# Altium PCB Main_Board.PcbDoc (part 1 of 2)
Units mm, origin at the board's own origin, x right, y up, seen from the top; angles counter-clockwise.
Board outline 51 x 118 mm, 4 copper layers (Top Layer, Layer 1, Layer 4, Bottom Layer), stack 0.603 mm thick; 237 components, 166 nets, 767 pads, 560 vias.
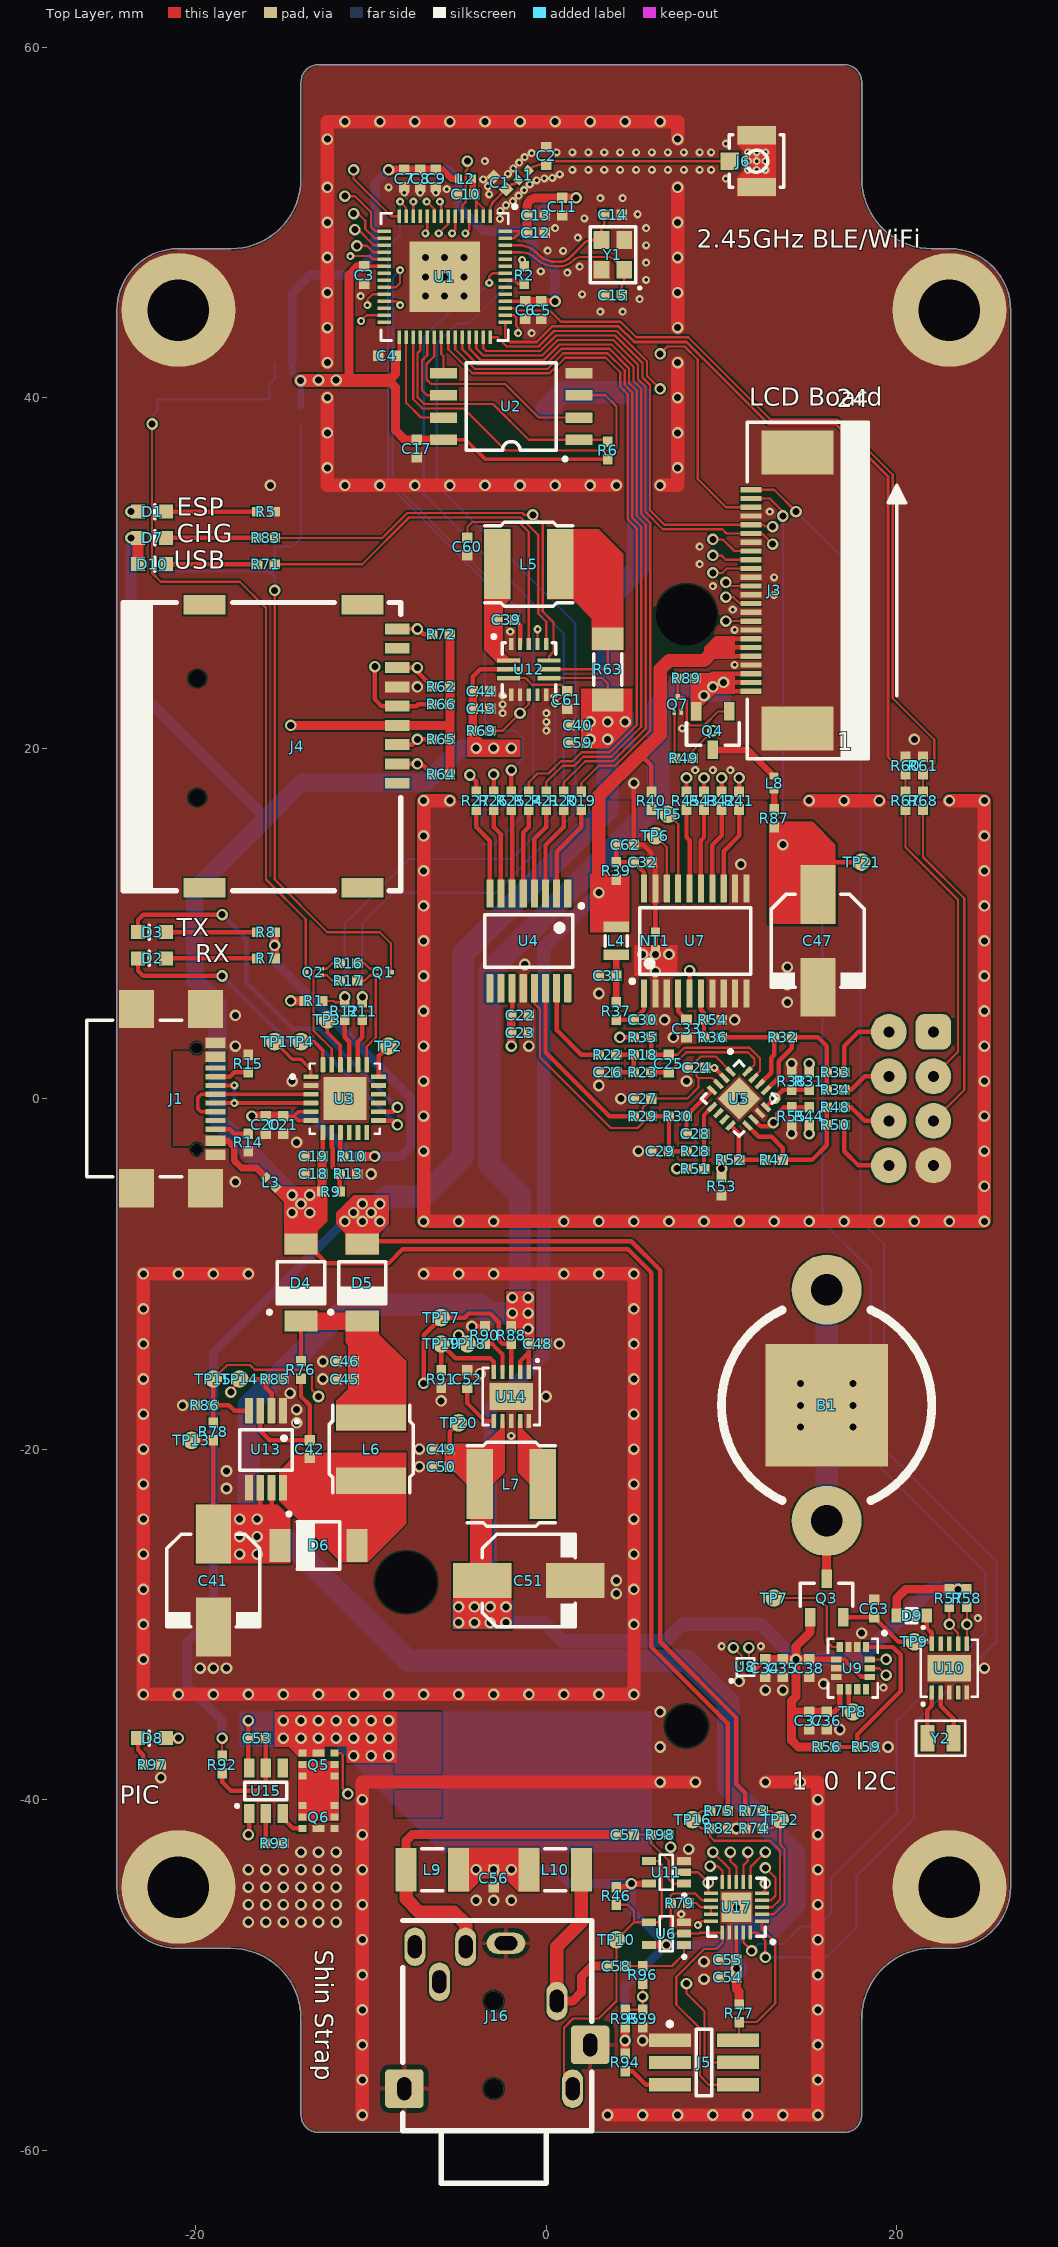
[diagram p0: Top Layer view]
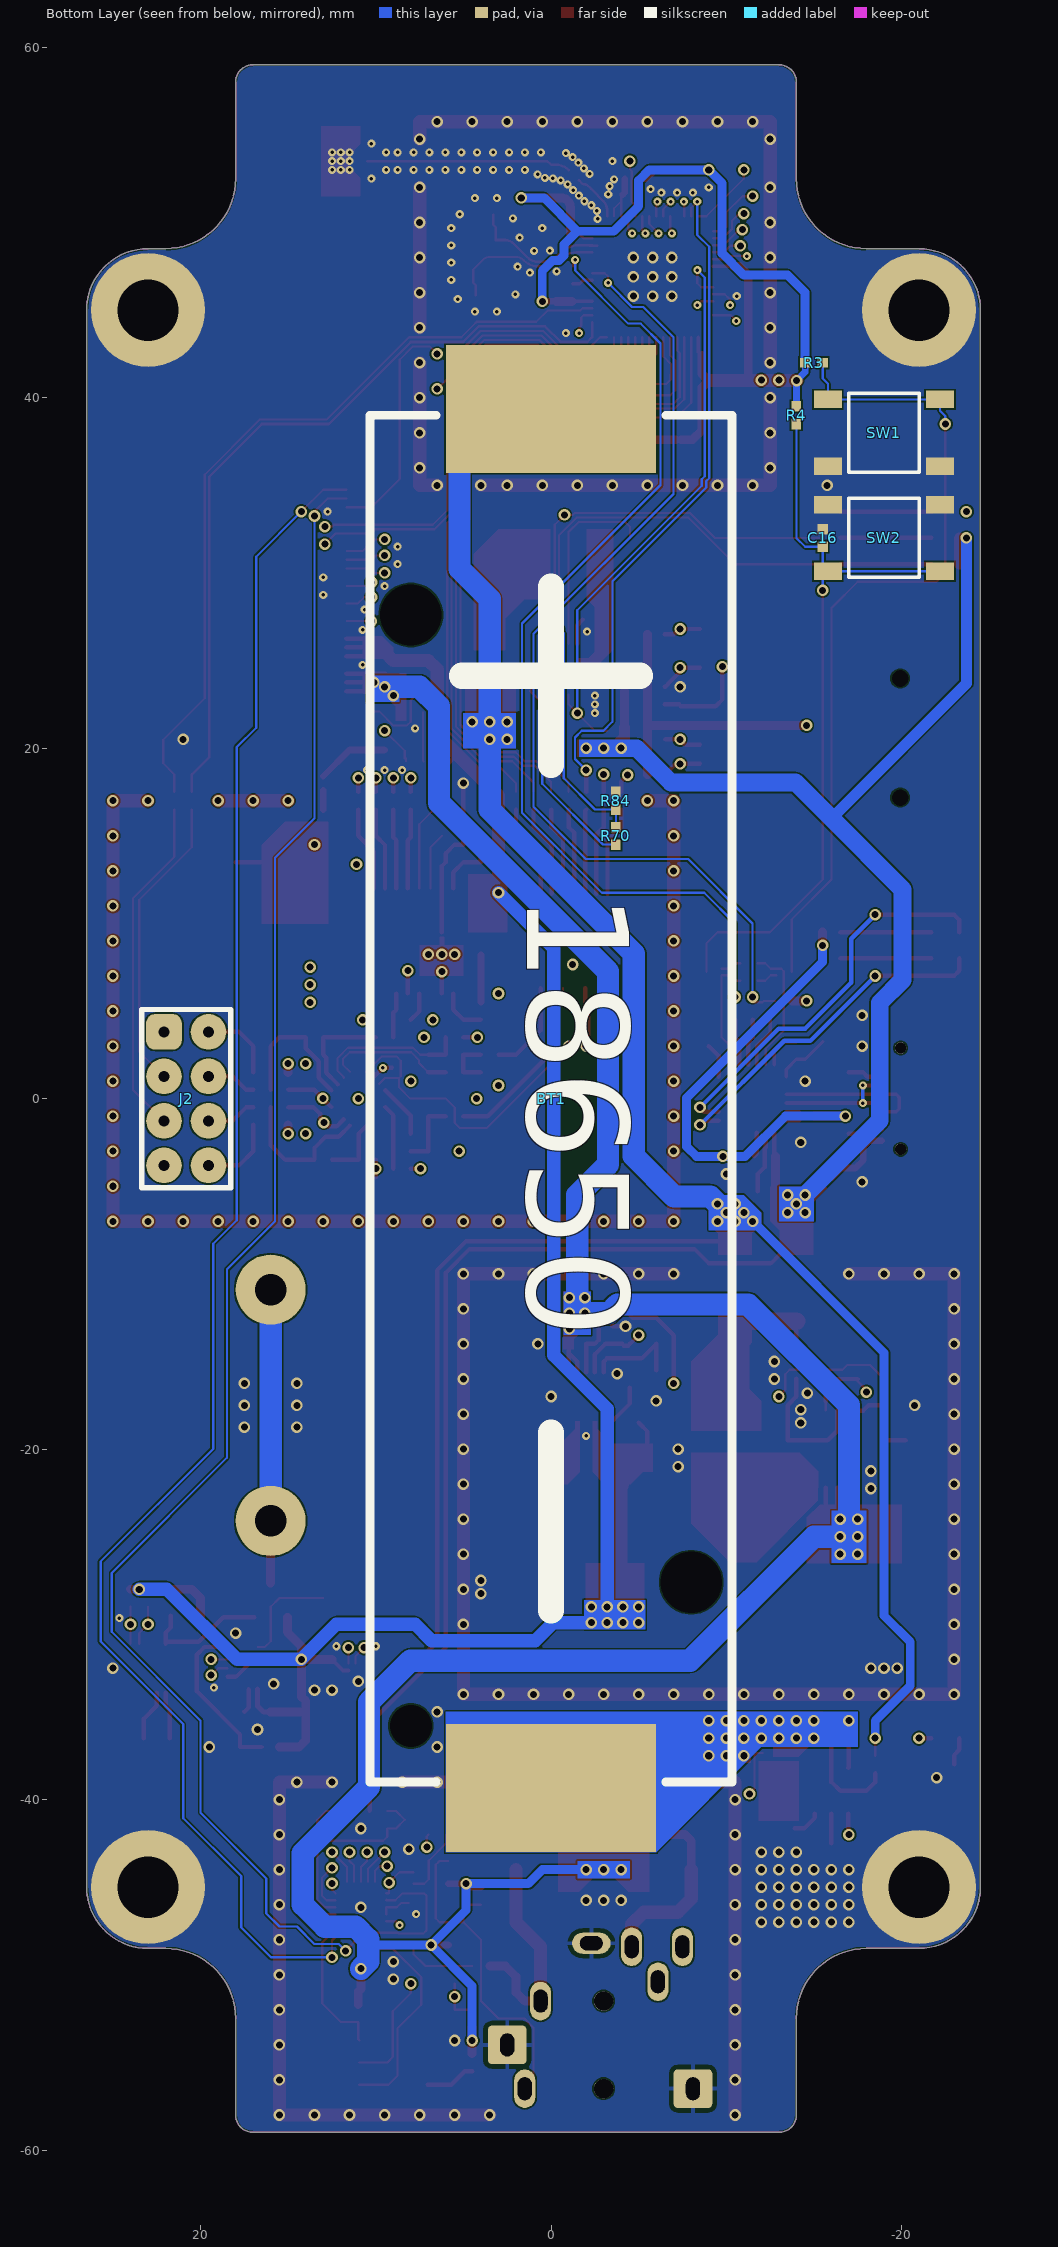
[diagram p1: Bottom Layer view, seen from below]
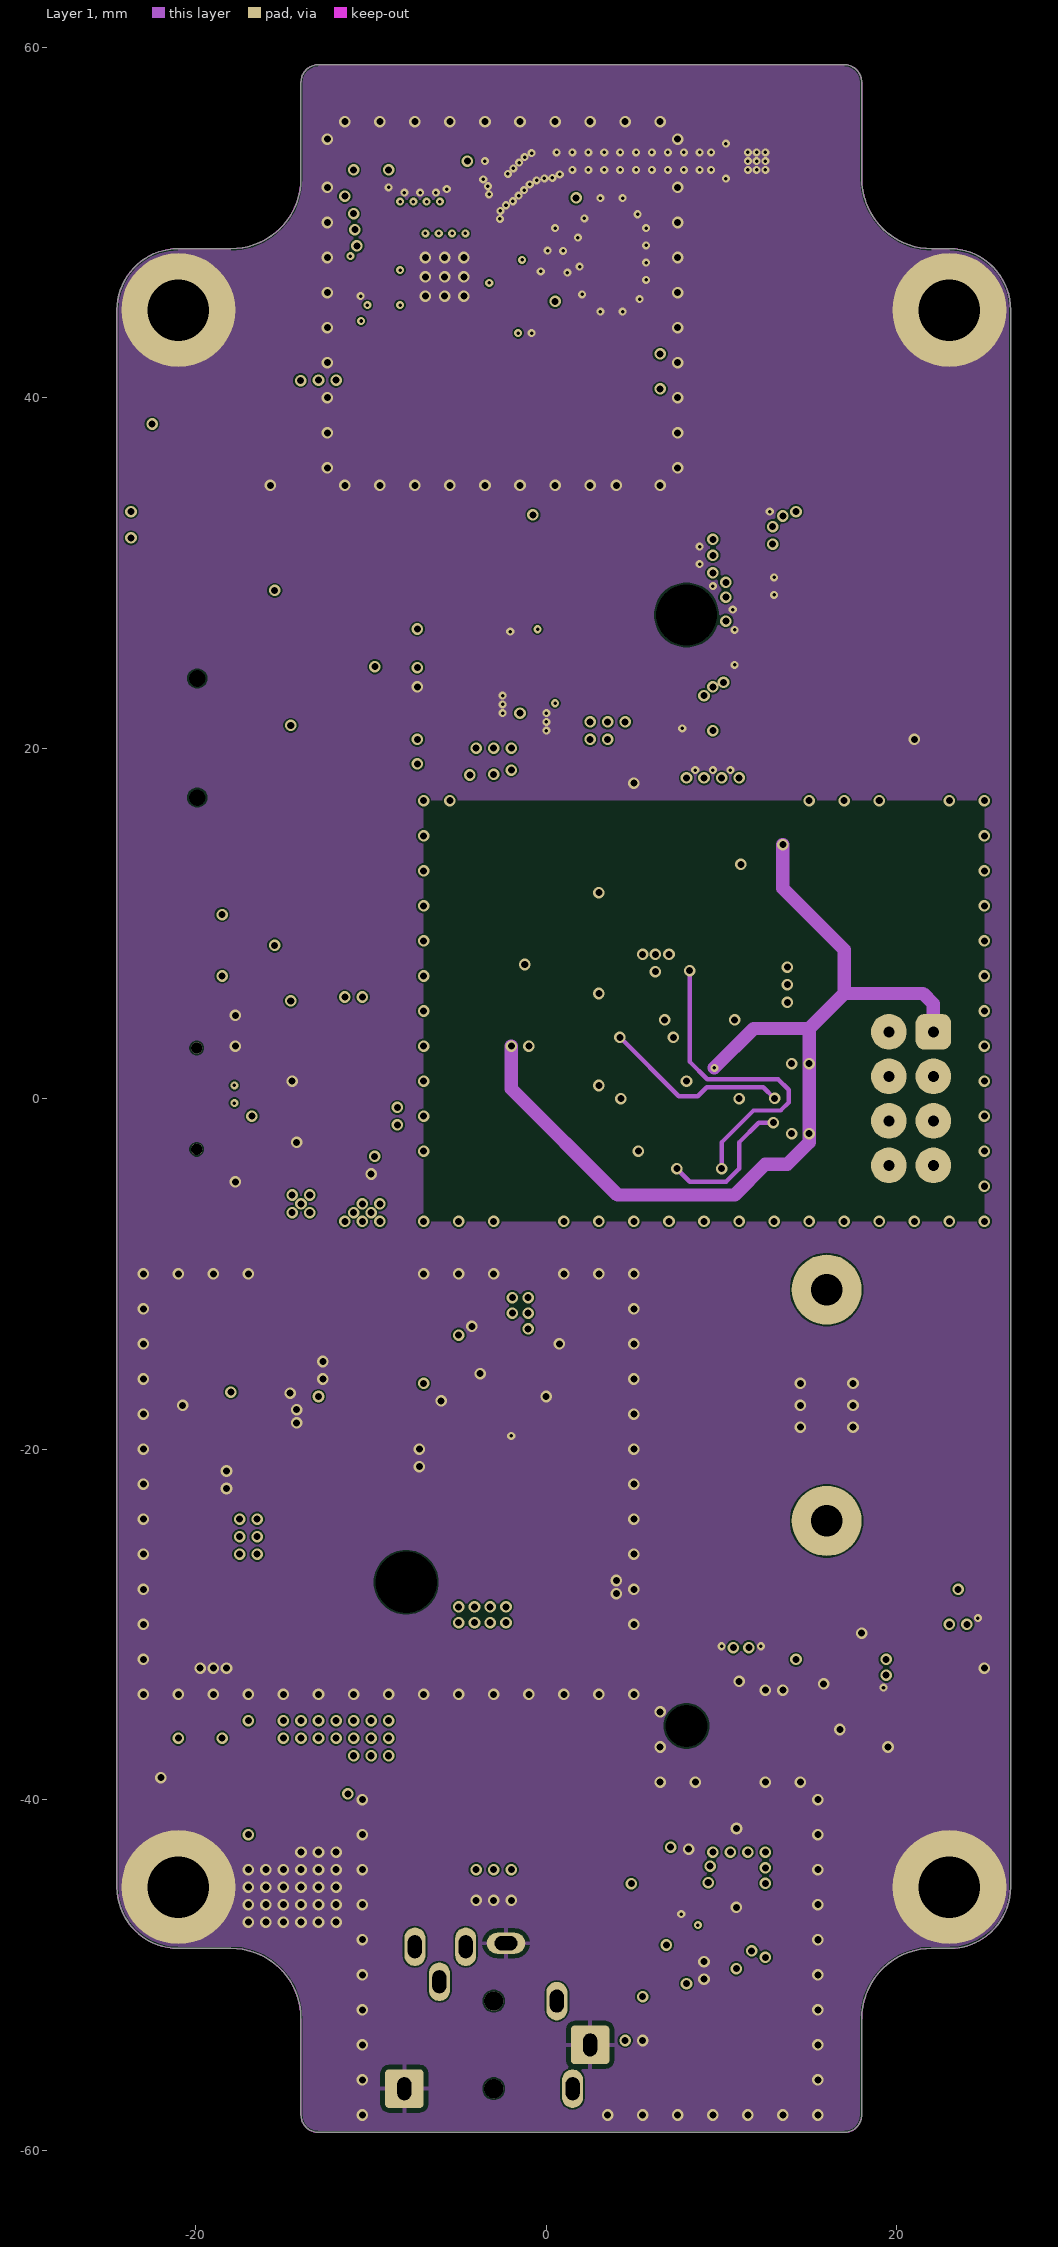
[diagram p2: Layer 1]
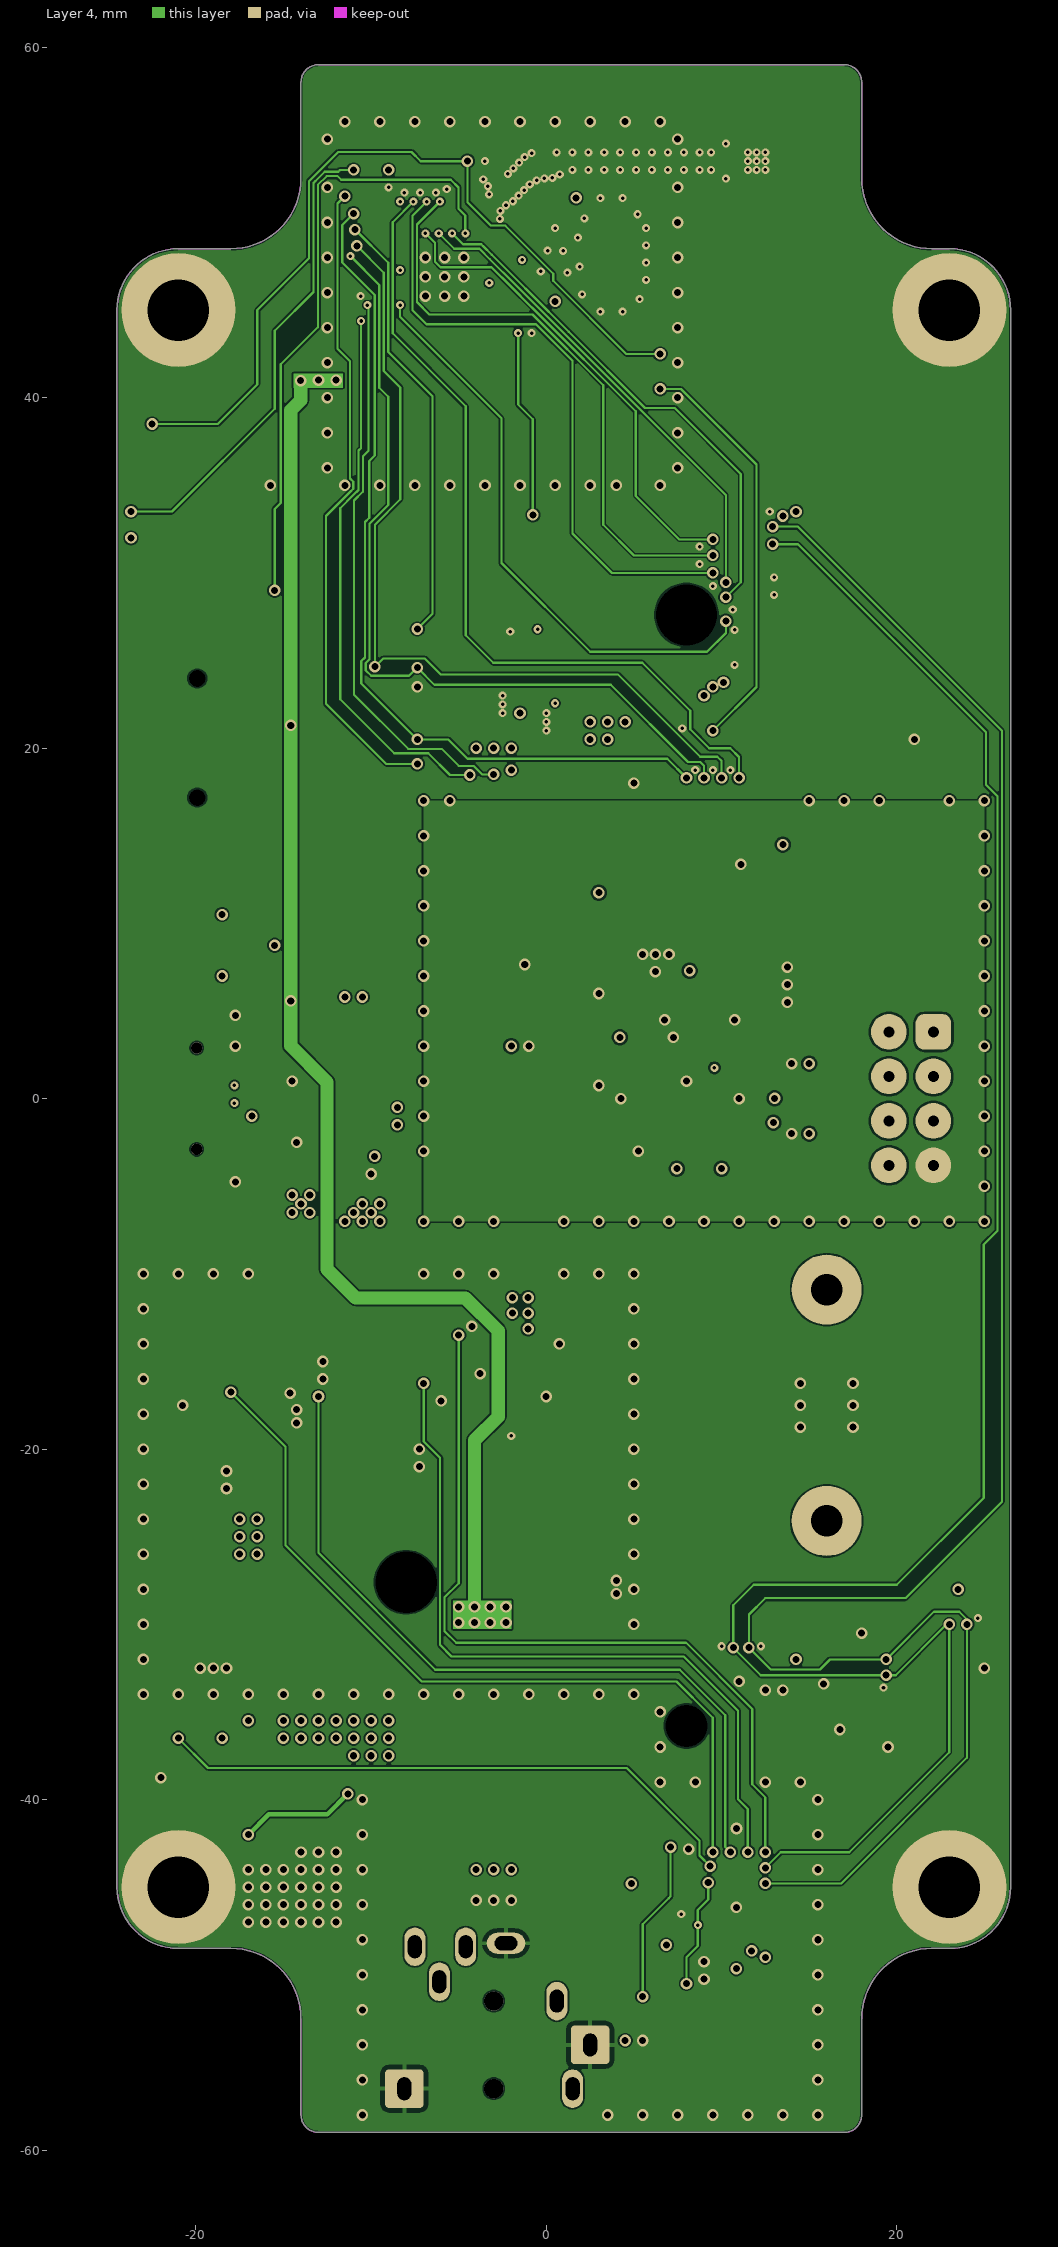
[diagram p3: Layer 4]
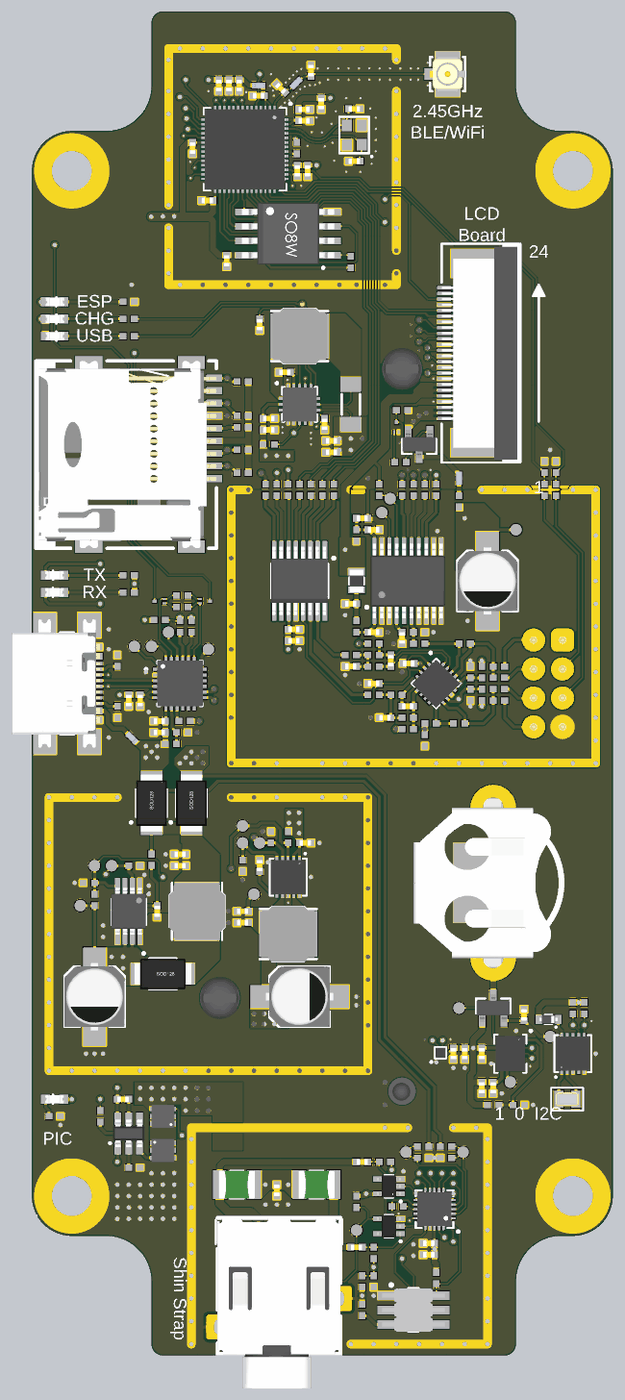
[diagram p5: 3D render of the assembled board from above, using the file's embedded part models]
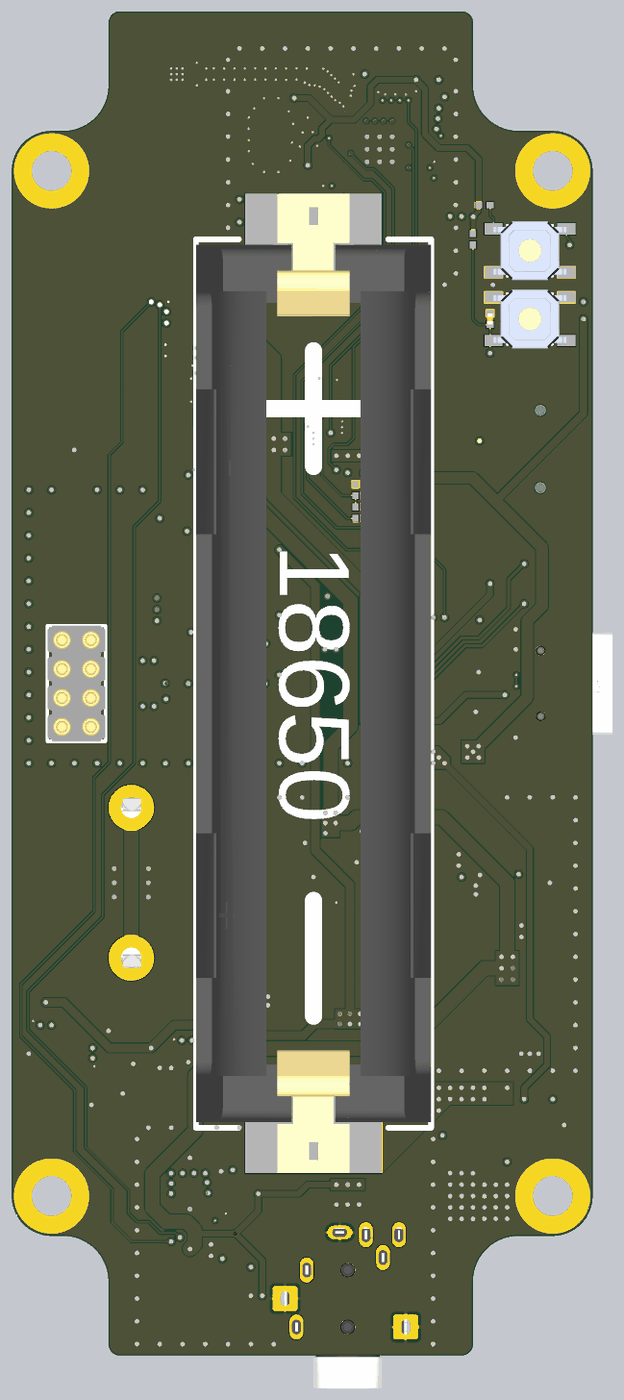
[diagram p6: 3D render of the assembled board from below, using the file's embedded part models]

## Layer stack, top to bottom
Top Solder: solder mask 0.0102, Solder Resist, Dk 3.5
Top Layer: signal copper 0.0356
Dielectric 2: prepreg 0.0711, PP-006, Dk 4.1
Layer 1: signal copper 0.035
Dielectric 1: dielectric 0.32, FR-4, Dk 4.8
Layer 4: signal copper 0.035
Dielectric 5: prepreg 0.0711, PP-006, Dk 4.1
Bottom Layer: signal copper 0.0356
Bottom Solder: solder mask 0.0102, Solder Resist, Dk 3.5

## Board outline
-21,-48.495 -18,-48.495 cw(c-18,-52.495) -14,-52.495 -14,-57.995 ccw(c-13,-57.995) -13,-58.995 17,-58.995 ccw(c17,-57.995) 18,-57.995 18,-52.495 cw(c22,-52.495) 22,-48.495 23,-48.495 ccw(c23,-44.995) 26.5,-44.995 26.5,45.005 ccw(c23,45.005) 23,48.505 22,48.505 cw(c22,52.505) 18,52.505 18,58.005 ccw(c17,58.005) 17,59.005 -13,59.005 ccw(c-13,58.005) -14,58.005 -14,52.505 cw(c-18,52.505) -18,48.505 -21,48.505 ccw(c-21,45.005) -24.5,45.005 -24.5,-44.995 ccw(c-21,-44.995)

## Design rules (kind name [scope] priority, off if disabled: settings)
Clearance Clearance_GND [InNet('GND')] p1: gap=0.089 ignorepadtopadclearanceinfootprint=FALSE except(0: Arc-Hole Track-Hole SMDPad-Hole THPad-Hole Via-Hole Fill-Hole Poly-Hole Region-Hole Text-Hole)
Clearance Clearance_1 [All] p2: gap=0.127 ignorepadtopadclearanceinfootprint=FALSE except(0: Arc-Hole Track-Hole SMDPad-Hole THPad-Hole Via-Hole Fill-Hole Poly-Hole Region-Hole Text-Hole)
ComponentClearance [All] p1: gap=0.01 collisioncheckmode=3 verticalgap=0.254 showdistances=FALSE
DiffPairsRouting [All] p1: maxlimit=0.254 minlimit=0.254 mostfreqgap=0.254 toplayer_minwidth=0.203 toplayer_maxwidth=0.203 toplayer_prefwidth=0.203 midlayer1_minwidth=0.203 midlayer1_maxwidth=0.203 midlayer1_prefwidth=0.203 midlayer2_minwidth=0.203 midlayer2_maxwidth=0.203 midlayer2_prefwidth=0.203 bottomlayer_minwidth=0.203 bottomlayer_maxwidth=0.203 bottomlayer_prefwidth=0.203 maxuncoupledlength=12.7
HoleSize [All] p1: absolutevalues=TRUE maxlimit=10 minlimit=0.025 maxpercent=80.000 minpercent=20.000
MinimumAnnularRing [All] p1: minimumring=0.13
MinimumSolderMaskSliver [All] p1: minsoldermaskwidth=0
PolygonConnect [All] p1: connectstyle=Direct reliefconductorwidth=0.254 reliefentries=4 polygonreliefangle="90 Angle" airgapwidth=0.254
RoutingVias [All] p1: holewidth=0.2 width=0.46 viastyle="Through Hole" minholewidth=0.2 minwidth=0.46 maxholewidth=5 maxwidth=10
ShortCircuit [InNet('NetANT1_1') vs InNet('GND')] p1: allowed=TRUE
SilkToSilkClearance [All] p1: silktosilkclearance=0
SilkToSolderMaskClearance [IsPad] p1: minsilkscreentomaskgap=0 clearancetoexposedcopper=TRUE
SolderMaskExpansion [All] p1: expansion=0.102 istentingtop=FALSE
UnRoutedNet [All] p1: checkbadconnections=TRUE
Width Width_50R [InNetClass('50R') OR InNetClass('ESP_ANT')] p1: maxlimit=0.147 minlimit=0.147 preferedwidth=0.147
Width [All] p2: maxlimit=12.7 minlimit=0.127 preferedwidth=0.254
22 further rules are at their usual default settings.

## Classes and differential pairs
component class Peripherals_Main_Board: J3 J4 R62 R64 R65 R66 R72
net class ESP_ANT: NetC1_2
net class 50R: NetC2_2
component class USB_Serial: C18 C19 C20 C21 D2 D3 J1 L3 Q1 Q2 R7 R8 R9 R10 R11 R12 R13 R14 R15 R16 R17 TP1 TP2 TP3 TP4 U3
component class ShinStrap_Interface: C54 C55 C56 C57 C58 D8 J5 J16 L9 L10 R46 R77 R79 R94 R95 R96 R97 R98 R99 TP10 U6 U11 U17
component class Regulation_Charging: BT1 C39 C40 C41 C42 C43 C44 C45 C46 C47 C48 C49 C50 C51 C52 C53 C59 C60 C61 D4 D5 D6 D7 D10 L5 L6 L7 L8 Q4 Q5 Q6 Q7 R49 R63 R69 R70 R71 R73 R74 R75 R76 R78 R82 R83 R84 R85 R86 R87 R88 R89 R90 R91 R92 R93 TP12 TP13 TP14 TP15 TP16 TP17 TP18 TP19 TP20 TP21 U12 U13 U14 U15
component class Processor: C1 C2 C3 C4 C5 C6 C7 C8 C9 C10 C11 C12 C13 C14 C15 C16 C17 D1 J6 L1 L2 R1 R2 R3 R4 R5 R6 SW1 SW2 U1 U2 Y1
component class Load_Cell_Biasing: C22 C23 C24 C25 C26 C27 C28 C29 J2 J? R18 R19 R20 R21 R22 R23 R24 R25 R26 R27 R28 R29 R30 R60 R61 R67 R68 U4 U5
component class Load_Cell_Acquisition: C30 C31 C32 C33 C62 L4 NT1 R31 R32 R33 R34 R35 R36 R37 R38 R39 R40 R41 R42 R43 R44 R45 R47 R48 R50 R51 R52 R53 R54 R55 TP5 TP6 U7
component class Inertial_Measurement_RTC: B1 C34 C35 C36 C37 C38 C63 D9 Q3 R56 R57 R58 R59 TP7 TP8 TP9 U8 U9 U10 Y2
differential pair CP2102_USB: +CP2102_USB_P -CP2102_USB_N

## Components (designator, comment, footprint, x,y, rotation, side; value= is the part's Value field where it differs from the comment)
B1 "LR44" HOLDER,CELL,LR44,PCB,THRU 16,-17.5 r90 top
BT1 "Holder,Cell,18650,SMD" HOLDER,CELL,18650,SMD 0,0 r270 bottom
C1 "4.8pF" CAP,SMD,0402 -2.653,52.254 r315 top
C2 "3.9pF" CAP,SMD,0402 0,53.8 r270 top
C3 "100nF" CAP,SMD,0402 -10.4,47 r90 top
C4 "100nF" CAP,SMD,0402 -9.1,42.4 r0 top
C5 "1uF" CAP,SMD,0402 -0.3,45 r90 top
C6 "100nF" CAP,SMD,0402 -1.2,45 r90 top
C7 "10uF" CAP,SMD,0402 -8.1,52.5 r90 top
C8 "1uF" CAP,SMD,0402 -7.2,52.5 r90 top
C9 "100nF" CAP,SMD,0402 -6.3,52.5 r90 top
C10 "100nF" CAP,SMD,0402 -4.6,51.6 r0 top
C11 "1uF" CAP,SMD,0402 0.9,50.9 r90 top
C12 "100pF" CAP,SMD,0402 -0.6,49.4 r180 top
C13 "100pF" CAP,SMD,0402 -0.6,50.4 r180 top
C14 "12pF" CAP,SMD,0402 3.8,50.45 r0 top
C15 "12pF" CAP,SMD,0402 3.8,45.85 r180 top
C16 "1uF" CAP,SMD,0402 -15.5,32 r270 bottom
C17 "100nF" CAP,SMD,0402 -7.4,37.1 r90 top
C18 "4.7uF" CAP,SMD,0402 -13.3,-4.3 r0 top
C19 "100nF" CAP,SMD,0402 -13.3,-3.3 r0 top
C20 "4.7uF" CAP,SMD,0402 -16,-1.5 r90 top
C21 "100nF" CAP,SMD,0402 -15,-1.5 r90 top
C22 "100nF" CAP,SMD,0402 -1.5,4.75 r180 top
C23 "10uF" CAP,SMD,0402 -1.5,3.75 r180 top
C24 "100nF" CAP,SMD,0402 8.576,1.76 r0 top
C25 "100nF" CAP,SMD,0402 7,2 r90 top
C26 "100nF" CAP,SMD,0402 3.5,1.5 r0 top
C27 "10uF" CAP,SMD,0402 5.5,0 r180 top
C28 "100nF" CAP,SMD,0402 8.5,-2 r0 top
C29 "100nF" CAP,SMD,0402 6.5,-3 r0 top
C30 "100nF" CAP,SMD,0402 5.5,4.5 r180 top
C31 "10uF" CAP,SMD,0402 3.5,7 r180 top
C32 "100nF" CAP,SMD,0402 5.5,13.5 r180 top
C33 "10uF" CAP,SMD,0402 8,4 r90 top
C34 "100nF" CAP,SMD,0402 12.5,-32.5 r270 top
C35 "1uF" CAP,SMD,0402 13.5,-32.5 r90 top
C36 "100nF" CAP,SMD,0402 16,-35.5 r90 top
C37 "1uF" CAP,SMD,0402 15,-35.5 r90 top
C38 "100nF" CAP,SMD,0402 15,-32.5 r90 top
C39 "100nF" CAP,SMD,0402 -2.297,27.321 r0 top
C40 "10uF" CAP,SMD,0402 1.8,21.3 r0 top
C41 "100uF" CAP,ALUM,SMD,D5,H5.8 -19,-27.5 r270 top
C42 "4.8pF" CAP,SMD,0402 -13.5,-20 r270 top
C43 "10uF" CAP,SMD,0402 -3.7,22.261 r180 top
C44 "10uF" CAP,SMD,0402 -3.7,23.261 r180 top
C45 "10uF" CAP,SMD,0402 -11.5,-16 r0 top
C46 "10uF" CAP,SMD,0402 -11.5,-15 r0 top
C47 "100uF" CAP,ALUM,SMD,D5,H5.8 15.5,9 r270 top
C48 "10uF" CAP,SMD,0402 -0.5,-14 r180 top
C49 "10uF" CAP,SMD,0402 -6,-20 r0 top
C50 "10uF" CAP,SMD,0402 -6,-21 r0 top
C51 "100uF" Cap,Alum,SMD,D5,H5.8 -1,-27.5 r0 top
C52 "100nF" CAP,SMD,0402 -4.5,-16 r270 top
C53 "100nF" CAP,SMD,0402 -16.5,-36.5 r0 top
C54 "1uF" CAP,SMD,0402 10.35,-50.15 r0 top
C55 "100nF" CAP,SMD,0402 10.35,-49.15 r0 top
C56 "10uF" CAP,SMD,0402 -3,-44.5 r90 top
C57 "100nF" CAP,SMD,0402 4.5,-42 r180 top
C58 "100nF" CAP,SMD,0402 4,-49.5 r180 top
C59 "10uF" Cap,SMD,0402 1.8,20.3 r0 top
C60 "1uF" Cap,SMD,0402 -4.5,31.5 r270 top
C61 "1uF" Cap,SMD,0402 1.198,22.762 r90 top
C62 "10uF" Cap,SMD,0402 4.5,14.5 r0 top
C63 "10uF" Cap,SMD,0402 18.703,-29.1 r90 top
D1 "Green" LED,0603 -22.5,33.5 r0 top
D2 "Green" LED,0603 -22.5,8 r180 top
D3 "Green" LED,0603 -22.5,9.5 r180 top
D4 "PMEG4030EP,115" SOD128 -14,-10.5 r90 top
D5 "PMEG4030EP,115" SOD128 -10.5,-10.5 r90 top
D6 "PMEG4030EP,115" SOD128 -13,-25.5 r0 top
D7 "Green" LED,0603 -22.5,32 r0 top
D8 "Green" LED,0603 -22.5,-36.5 r180 top
D9 "1N4148WT" SOD523 20.85,-29.5 r180 top
D10 "Green" LED,0603 -22.5,30.5 r0 top
J1 "USB" CONN,USB_C,SMD -19.95,0 r270 top
J2 "Conn,Spring,Piston,8Pos,Thru" CONN,SPRING,PISTON,8POS,THRU 22.09,3.81 r270 bottom
J3 "Conn,FFC,Bottom,24 Pin,0.5mm" CONN,FFC,BOTTOM,24POS,0.5MM 13,29 r270 top
J4 "Micro SD Card" CONN,MICROSD,PUSH-PUSH,SMD -8.5,18 r270 top
J5 "Term,Header,3x2 Pin,1.27mm,SMD" TERM,HEADER,3X2PIN,P1.27,SMD 9,-55 r0 top
J6 "U.FL 50 Ohm" CONN,UFL,50Ohm,SMD 12,53.5 r270 top
J16 "Conn,Jack,TRS,3.5mm,Thru,Shielded" CONN,JACK,TRS,3.5MM,THRU,SHIELDED -3,-58.9 r90 top
L1 "1.8nH" IND,0402 -1.3,52.7 r45 top
L2 "2.7nH" IND,0402 -4.6,52.5 r0 top
L3 "470R" IND,0402 -15.717,-4.783 r315 top
L4 "4.7uH" IND,0805 4,9 r90 top
L5 "4.7uH" IND,WIREWOUND,4.9x4.9,SMD -1,30.5 r0 top
L6 "4.7uH" IND,WIREWOUND,4.9X4.9,SMD -10,-20 r270 top
L7 "4.7uH" IND,WIREWOUND,4.9X4.9,SMD -2,-22 r180 top
L8 "470R" IND,0402 13,18 r270 top
L9 "1mH" IND,1210 -6.5,-44 r0 top
L10 "1mH" IND,1210 0.5,-44 r180 top
NT1 "Net Tie" "Net Tie,20x60mil" 6.225,9 r270 top net-tie
Q1 "NST3904F3T5G" SOT1123 -9.3,7.225 r0 top
Q2 "NST3904F3T5G" SOT1123 -13.3,7.225 r180 top
Q3 "DMP2160U-7" SOT23-3 16,-28.5 r90 top
Q4 "DMP2160U-7" SOT23-3 9.5,21 r270 top
Q5 "PMPB25ENEX" IC,WDFN-6,P0.65 -13,-38 r90 top
Q6 "PMPB25ENEX" IC,WDFN-6,P0.65 -13,-41 r270 top
Q7 "NST3904F3T5G" SOT1123 7.5,22.5 r90 top
R1 "10k" RES,0402 -13.285,5.575 r180 top
R2 "499R" RES,0402 -1.25,47 r90 top
R3 "10k" RES,0402 -15,42 r180 bottom
R4 "10k" RES,0402 -14,39 r270 bottom
R5 "330R" RES,0402 -16,33.5 r180 top
R6 "10k" RES,0402 3.5,37 r270 top
R7 "150R" RES,0402 -16,8 r0 top
R8 "150R" RES,0402 -16,9.5 r0 top
R9 "22k" RES,0402 -12.3,-5.3 r0 top
R10 "1k" RES,0402 -11.1,-3.3 r0 top
R11 "0R" RES,0402 -10.5,5 r90 top
R12 "0R" RES,0402 -11.5,5 r90 top
R13 "47k" RES,0402 -11.3,-4.3 r180 top
R14 "5k11" RES,0402 -17,-2.5 r90 top
R15 "5k11" RES,0402 -17,2 r270 top
R16 "10k" RES,0402 -11.3,7.725 r180 top
R17 "10k" RES,0402 -11.3,6.725 r0 top
R18 "10k" RES,0402 5.5,2.5 r180 top
R19 "10R" RES,0402 2,17 r270 top
R20 "10R" RES,0402 1,17 r270 top
R21 "10R" RES,0402 0,17 r270 top
R22 "10k" RES,0402 3.5,2.5 r0 top
R23 "10k" RES,0402 5.5,1.5 r0 top
R24 "10R" RES,0402 -1,17 r270 top
R25 "10R" RES,0402 -2,17 r270 top
R26 "10R" RES,0402 -3,17 r270 top
R27 "10R" RES,0402 -4,17 r270 top
R28 "10k" RES,0402 8.5,-3 r180 top
R29 "10k" RES,0402 5.5,-1 r0 top
R30 "10k" RES,0402 7.5,-1 r0 top
R31 "1k" RES,0402 15,1 r90 top
R32 "300k" RES,0402 13.5,3.5 r0 top
R33 "1k" RES,0402 16.5,1.5 r0 top
R34 "1k" RES,0402 16.5,0.5 r0 top
R35 "10k" RES,0402 5.5,3.5 r180 top
R36 "560R" RES,0402 9.5,3.5 r0 top
R37 "10R" RES,0402 4,5 r90 top
R38 "1k" RES,0402 14,1 r270 top
R39 "10R" RES,0402 4,13 r270 top
R40 "10k" RES,0402 6,17 r90 top
R41 "10R" RES,0402 11,17 r270 top
R42 "10R" RES,0402 10,17 r270 top
R43 "10R" RES,0402 9,17 r270 top
R44 "1k" RES,0402 15,-1 r270 top
R45 "10R" RES,0402 8,17 r270 top
R46 "10k" RES,0402 4,-45.5 r90 top
R47 "300k" RES,0402 13,-3.5 r0 top
R48 "1k" RES,0402 16.5,-0.5 r0 top
R49 "10k" RES,0402 7.849,19.422 r0 top
R50 "1k" RES,0402 16.5,-1.5 r0 top
R51 "10k" RES,0402 8.5,-4 r180 top
R52 "560R" RES,0402 10.5,-3.5 r0 top
R53 "1k" RES,0402 10,-5 r270 top
R54 "1k" RES,0402 9.5,4.5 r0 top
R55 "1k" RES,0402 14,-1 r90 top
R56 "0R" RES,0402 16,-37 r0 top
R57 "2k55" RES,0402 23,-28.5 r90 top
R58 "2k55" RES,0402 24,-28.5 r90 top
R59 "0R" RES,0402 18.25,-37 r180 top
R60 "10k" RES,0402 20.5,19 r270 top
R61 "10k" RES,0402 21.5,19 r270 top
R62 "10k" RES,0402 -6,23.5 r0 top
R63 "50m" RES,1206 3.5,24.5 r270 top
R64 "10k" RES,0402 -6,18.5 r0 top
R65 "10k" RES,0402 -6,20.5 r0 top
R66 "10k" RES,0402 -6,22.5 r0 top
R67 "10R" RES,0402 20.5,17 r270 top
R68 "10R" RES,0402 21.5,17 r270 top
R69 "10k" RES,0402 -3.7,21 r0 top
R70 "10k" RES,0402 -3.7,15 r90 bottom
R71 "560R" RES,0402 -16,30.5 r0 top
R72 "10k" RES,0402 -6,26.5 r0 top
R73 "300k" RES,0402 11.85,-40.65 r180 top
R74 "300k" RES,0402 11.85,-41.65 r0 top
R75 "10k" RES,0402 9.85,-40.65 r0 top
R76 "150k" RES,0402 -14,-15.475 r90 top
R77 "10k" RES,0402 11.001,-52.2 r90 top
R78 "300k" RES,0402 -19,-19 r270 top
R79 "10k" RES,0402 7.605,-45.905 r180 top
R82 "10k" RES,0402 9.85,-41.65 r180 top
R83 "560R" RES,0402 -16,32 r0 top
R84 "3380K" RES,0402 -3.7,17 r90 bottom
R85 "10k" RES,0402 -15.5,-16 r180 top
R86 "100k" RES,0402 -19.5,-17.5 r0 top
R87 "10R" RES,0402 13,16 r270 top
R88 "100k" RES,0402 -2,-13.5 r90 top
R89 "10k" RES,0402 8,24 r0 top
R90 "100k" RES,0402 -3.5,-13.5 r270 top
R91 "100k" RES,0402 -6,-16 r270 top
R92 "330R" RES,0402 -18.5,-38 r270 top
R93 "2k7" RES,0402 -15.5,-42.5 r180 top
R94 "1k" RES,0402 4.5,-55 r90 top
R95 "10k" RES,0402 4.5,-52.5 r270 top
R96 "470k" RES,0402 5.5,-50 r270 top
R97 "330R" RES,0402 -22.5,-38 r180 top
R98 "470k" RES,0402 6.491,-42 r0 top
R99 "10k" RES,0402 5.5,-52.5 r90 top
SW1 "Switch" SWITCH,TACTILE,MICRO,SPST-NO,SMD -19,38 r180 bottom
SW2 "Switch" SWITCH,TACTILE,MICRO,SPST-NO,SMD -19,32 r180 bottom
TP1 "TESTPOINT" TESTPOINT,SMD,ROUND,1MM -15.5,3.25 r90 top
TP2 "TESTPOINT" TESTPOINT,SMD,ROUND,1MM -9,3 r90 top
TP3 "TESTPOINT" TESTPOINT,SMD,ROUND,1MM -12.5,4.5 r90 top
TP4 "TESTPOINT" TESTPOINT,SMD,ROUND,1MM -14,3.25 r90 top
TP5 "TESTPOINT" TESTPOINT,SMD,ROUND,1MM 6.957,16.229 r180 top
TP6 "TESTPOINT" TESTPOINT,SMD,ROUND,1MM 6.225,15 r180 top
TP7 "TESTPOINT" TESTPOINT,SMD,ROUND,1MM 13,-28.5 r180 top
TP8 "TESTPOINT" TESTPOINT,SMD,ROUND,1MM 17.5,-35 r180 top
TP9 "TESTPOINT" TESTPOINT,SMD,ROUND,1MM 21,-31 r180 top
TP10 "TESTPOINT" testpoint,smd,round,1mm 4,-48 r0 top
TP12 "TESTPOINT" TESTPOINT,SMD,ROUND,1MM 13.35,-41.15 r0 top
TP13 "TESTPOINT" TESTPOINT,SMD,ROUND,1MM -20.25,-19.5 r90 top
TP14 "TESTPOINT" TESTPOINT,SMD,ROUND,1MM -17.5,-16 r90 top
TP15 "TESTPOINT" TESTPOINT,SMD,ROUND,1MM -19,-16 r90 top
TP16 "TESTPOINT" TESTPOINT,SMD,ROUND,1MM 8.35,-41.15 r0 top